# Altium PCB BEAGLEPLAYV020_220915.brd.PcbDoc (part 10 of 12)
Units mm, origin at the board's own origin, x right, y up, seen from the top; angles counter-clockwise.
Board outline 80 x 80 mm, 8 copper layers (TOP, LYR2_GND, LYR3, LAY4_PWR1, LAY5_PWR2, LAY6, LYR7_GND, BOTTOM), stack 1.545 mm thick; 782 components, 546 nets, 2864 pads, 2056 vias.
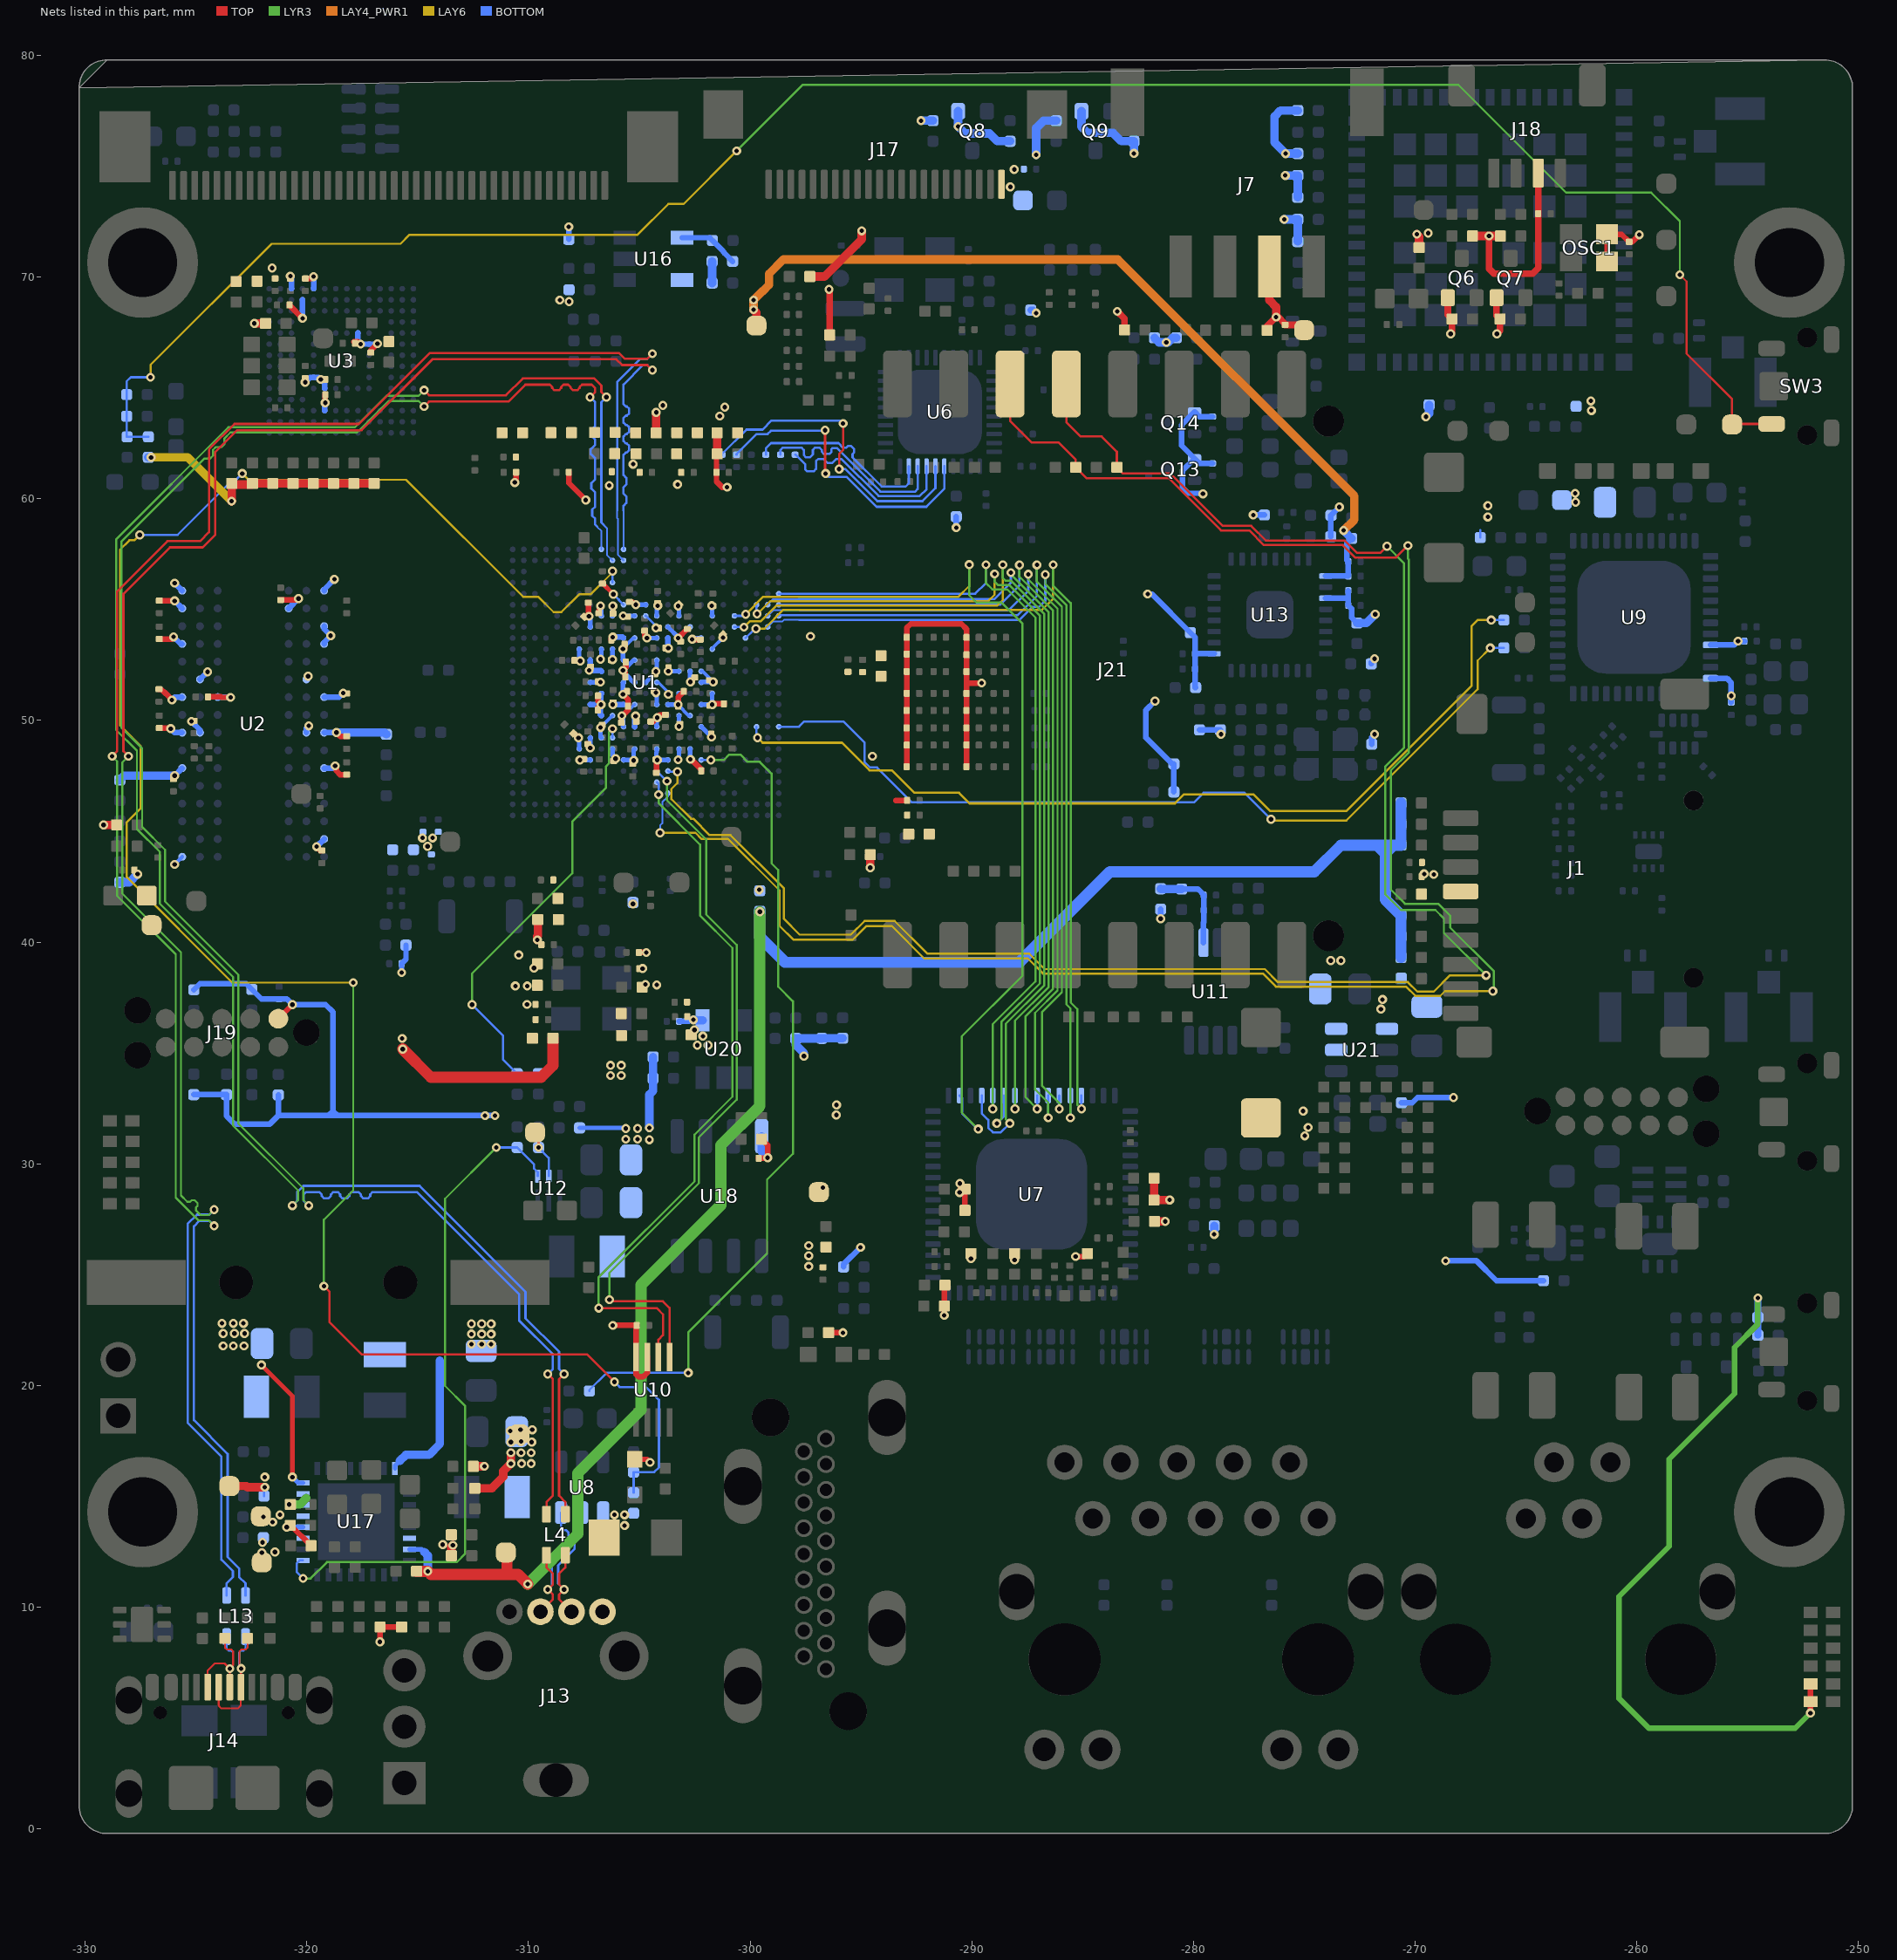
[diagram p16: the nets of this part, all layers, seen from the top]

## Via types
v1: diameter 0.406/0/0.406/0/0/0/0/0.406 (per signal layer), hole 0.203, TOP to BOTTOM, 334 vias
v2: diameter 0.406/0.406/0/0/0/0/0.406/0.406 (per signal layer), hole 0.203, TOP to BOTTOM, 282 vias
v3: diameter 0.406/0/0/0/0/0.406/0/0.406 (per signal layer), hole 0.203, TOP to BOTTOM, 255 vias
v4: diameter 0.406/0.406/0/0/0/0.406/0.406/0.406 (per signal layer), hole 0.203, TOP to BOTTOM, 253 vias
v5: diameter 0.406, hole 0.203, TOP to BOTTOM, 212 vias
v6: diameter 0.406/0.406/0.406/0/0/0.406/0.406/0.406 (per signal layer), hole 0.203, TOP to BOTTOM, 173 vias
v7: diameter 0.406/0/0/0.406/0/0/0/0.406 (per signal layer), hole 0.203, TOP to BOTTOM, 131 vias
v8: diameter 0.406/0/0/0/0.406/0/0/0.406 (per signal layer), hole 0.203, TOP to BOTTOM, 98 vias
v9: diameter 0.406/0.406/0/0.406/0/0/0.406/0.406 (per signal layer), hole 0.203, TOP to BOTTOM, 93 vias
v10: diameter 0.406/0/0.406/0/0/0.406/0/0.406 (per signal layer), hole 0.203, TOP to BOTTOM, 87 vias
v11: diameter 0.406/0.406/0/0.406/0/0.406/0.406/0.406 (per signal layer), hole 0.203, TOP to BOTTOM, 44 vias
v12: diameter 0.406/0.406/0.406/0.406/0/0.406/0.406/0.406 (per signal layer), hole 0.203, TOP to BOTTOM, 40 vias
v13: diameter 0.406/0.406/0.406/0/0/0/0.406/0.406 (per signal layer), hole 0.203, TOP to BOTTOM, 19 vias
v14: diameter 0.406/0/0/0.406/0/0.406/0/0.406 (per signal layer), hole 0.203, TOP to BOTTOM, 15 vias
v15: diameter 0.406/0/0/0/0.406/0.406/0/0.406 (per signal layer), hole 0.203, TOP to BOTTOM, 13 vias
v16: diameter 0.406/0/0.406/0/0.406/0/0/0.406 (per signal layer), hole 0.203, TOP to BOTTOM, 3 vias
v17: diameter 0.406/0/0.406/0.406/0/0/0/0.406 (per signal layer), hole 0.203, TOP to BOTTOM, 3 vias
v18: diameter 0.406/0.406/0.406/0.406/0/0/0.406/0.406 (per signal layer), hole 0.203, TOP to BOTTOM, 1 vias

## Nets (pads, with @x,y where several pads share a name; then routed paths per layer and width w, separated by ;. In a path a pad name is that pad's centre, name@x,y a point inside that pad or via, vN(x,y) a via of type N, cw(c..) or ccw(c..) an arc to the next point about the centre after c; other vN are vias at no path point) (continued)
TXCTL: R50.2 U6.19 | length 8.9
  BOTTOM w0.102: R50.2@-299.292,61.988 -299.292,62.277 -299.06,62.509 -296.02,62.509 -295.812,62.302 -295.668,62.302 -295.592,62.378 -295.448,62.378 -295.305,62.234 -295.305,62.091 -295.381,62.014 -295.381,61.871 -294.064,60.554 -292.989,60.554 -292.843,60.7 U6.19@-292.843,61.467
TXD0: R51.2 U6.18 | length 9.3
  BOTTOM w0.102: R51.2@-298.631,61.988 -298.631,62.205 -298.53,62.306 -297.681,62.306 -297.579,62.205 -297.579,61.972 -297.477,61.87 -297.304,61.87 -297.173,62.001 -297.173,62.205 -297.071,62.306 -296.874,62.306 -296.774,62.206 -296.774,62.128 -296.672,62.027 -296.418,62.027 -296.342,62.103 -296.342,62.231 -296.292,62.281 -296.079,62.281 -294.123,60.325 -292.557,60.325 -292.443,60.439 U6.18@-292.443,61.467
TXD1: R52.2 U6.17 | length 8.8
  BOTTOM w0.102: R52.2@-297.971,61.988 -297.946,61.988 -297.51,61.552 -297.51,61.316 -297.434,61.239 -297.129,61.239 -297.028,61.341 -297.028,61.697 -296.926,61.798 -296.697,61.798 -296.52,61.62 -296.291,61.62 -296.113,61.798 -295.884,61.798 -294.207,60.122 -292.354,60.122 -292.043,60.433 U6.17@-292.043,61.467
TXD2: R57.2 U6.16 | length 14.5
  TOP w0.102: v5(-295.986,61.341) -295.986,62.027 -295.808,62.205 v5(-295.808,63.398)
  BOTTOM w0.102: R57.2@-301.273,61.988 -301.273,62.013 -300.167,63.119 -299.441,63.119 -299.034,63.525 -295.935,63.525 v5(-295.808,63.398) ; v5(-295.986,61.341) -295.714,61.341 -294.266,59.893 -292.227,59.893 -291.643,60.477 U6.16@-291.643,61.467
TXD3: R58.2 U6.15 | length 13.8
  TOP w0.102: v5(-296.621,63.094) -296.621,61.163 v5(-296.596,61.138)
  BOTTOM w0.102: R58.2@-300.613,61.988 -300.613,62.013 -299.71,62.916 -299.212,62.916 -299.06,63.068 -296.647,63.068 v5(-296.621,63.094) ; v5(-296.596,61.138) -296.443,60.985 -295.646,60.985 -294.3,59.639 -292.052,59.639 -291.243,60.448 U6.15@-291.243,61.467
U18_FB: R211.2 R212.1 U16.4 | length 2.7
  BOTTOM w0.254: U16.4@-303.069,71.777 -301.828,71.777 R212.1@-301.7,71.649 -301.697,71.649 -301.244,71.196 -301.135,71.054 R211.2@-300.791,70.71
UART0_RXD: U1.D14 U10.6 | length 32.7
  TOP w0.102: v1(-306.832,23.495) -304.216,23.495 -303.936,23.216 -303.936,22.276 -304.142,22.071 U10.6@-304.142,21.289
  LYR3 w0.097: v1(-306.832,23.495) -306.832,24.892 -302.514,29.21 -302.514,31.318 -300.802,33.03 -300.802,39.741 -302.26,41.199 -302.26,44.404 -304.13,46.274 v1(-304.13,46.652)
  BOTTOM w0.102: U1.D14@-304.211,47.22 -304.13,47.139 v1(-304.13,46.652)
UART0_TXD: U1.E14 U10.5 | length 32.8
  TOP w0.102: v1(-306.349,23.876) -306.273,23.8 -303.936,23.8 -303.641,23.505 U10.5@-303.641,21.289
  LYR3 w0.097: v1(-306.349,23.876) -306.349,25.094 -302.316,29.128 -302.316,31.186 -300.604,32.898 -300.604,39.873 -301.981,41.25 -301.981,44.628 -303.754,46.401 v1(-303.754,47.262)
  BOTTOM w0.102: U1.E14@-304.211,47.719 v1(-303.754,47.262)
UART5_RXD: D38.2 J21.6 U1.C15 | length 89.9
  TOP w0.102: J21.6@-288.275,65.179 -288.275,63.51 -287.299,62.535 -286.08,62.535 -285.313,61.767 D38.2@-285.313,61.417 -284.83,60.935 -281.127,60.935 -278.765,58.572 -277.487,58.572 -276.826,57.912 -273.27,57.912 -272.712,57.353 -270.866,57.353 v1(-270.332,57.887)
  LYR3 w0.097: v1(-270.332,57.887) -270.332,57.302 -270.281,57.252 -270.281,48.565 -271.094,47.752 -271.094,42.367 -270.459,41.732 -268.961,41.732 -268.427,41.199 -268.427,40.665 -266.449,38.687 -266.449,37.843 v10(-266.497,37.795)
  LAY6 w0.097: v3(-304.063,44.933) -302.463,44.933 -302.184,44.653 -300.989,44.653 -298.675,42.339 -298.675,40.738 -298.044,40.107 -295.377,40.107 -294.767,40.716 -293.599,40.716 -292.151,39.268 -287.477,39.268 -286.791,38.583 -276.868,38.583 -276.284,37.998 -270.41,37.998 -269.989,37.577 -268.874,37.577 -268.656,37.795 v10(-266.497,37.795)
  BOTTOM w0.081: v3(-304.063,44.933) -304.063,45.263 -303.962,45.364 -303.962,46.321 -303.711,46.571 U1.C15@-303.711,46.719
UART5_TXD: D39.2 J21.5 U1.E15 | length 85.7
  TOP w0.102: J21.5@-285.735,65.179 -285.735,63.459 -285.089,62.814 -284.15,62.814 -283.459,62.123 D39.2@-283.459,61.417 -283.179,61.138 -281.043,61.138 -278.681,58.776 -277.403,58.776 -276.742,58.115 -273.186,58.115 -272.627,57.556 -271.577,57.556 v1(-271.272,57.861)
  LYR3 w0.097: v1(-271.272,57.861) -270.51,57.099 -270.51,48.767 -271.36,47.917 -271.36,42.176 -270.637,41.453 -269.088,41.453 -268.707,41.072 -268.707,40.411 v10(-266.802,38.506)
  LAY6 w0.097: v3(-303.281,47.688) -303.281,47.18 -303.555,46.906 -303.555,46.457 -302.666,45.568 -302.565,45.568 -301.828,44.831 -300.886,44.831 -298.477,42.422 -298.477,41.048 -297.769,40.34 -295.456,40.34 -294.837,40.959 -293.486,40.959 -292.003,39.477 -287.405,39.477 -286.714,38.786 -276.784,38.786 -276.2,38.202 -270.333,38.202 -269.906,37.775 -269.159,37.775 -268.427,38.506 v10(-266.802,38.506)
  BOTTOM w0.102: U1.E15@-303.711,47.719 -303.68,47.688 v3(-303.281,47.688)
UART6_RXD: R121.1 U1.J23 | length 41
  LAY6 w0.102: v3(-299.669,49.225) -299.441,48.997 -295.859,48.997 -294.615,47.752 -293.606,47.752 -292.594,46.74 -290.581,46.74 -290.102,46.261 -280.84,46.261 -280.441,46.66 -277.292,46.66 -276.542,45.91 -273.113,45.91 -267.453,51.571 -267.453,54.264 -267.187,54.53 v3(-266.573,54.53)
  BOTTOM w0.102: U1.J23@-299.711,49.719 -299.711,49.267 v3(-299.669,49.225) ; v3(-266.573,54.53) R121.1@-266.001,54.53
UART6_TXD: R120.1 U1.J25 | length 39.5
  LAY6 w0.097: v3(-276.504,45.542) -276.454,45.491 -273.101,45.491 -267.183,51.41 -267.183,52.705 v3(-266.617,53.271)
  BOTTOM w0.102: U1.J25@-298.711,49.719 -297.798,49.719 -297.566,49.952 -295.787,49.952 -294.843,49.009 -294.843,48.138 -294.584,47.879 -294.279,47.879 -292.704,46.304 -279.984,46.304 -279.552,46.736 -277.698,46.736 v3(-276.504,45.542) ; v3(-266.617,53.271) R120.1@-266,53.271
USB0_DM: L13.1 U1.AE11 | length 90.8
  TOP w0.104: v1(-328.046,48.387) -328.272,48.613 -328.272,55.707 -326.171,57.809 -324.698,57.809 -324.129,58.377 -324.129,62.111 -323.146,63.094 -317.533,63.094 -314.335,66.291 -306.034,66.291 -305.775,66.032 -304.64,66.032 v5(-304.414,65.806)
  LYR3 w0.091: v1(-328.046,48.387) -328.32,48.113 -328.32,42.189 -325.679,39.548 -325.679,28.579 -325.391,28.291 -325.261,28.291 -325.19,28.363 -325.06,28.363 -324.931,28.234 -324.931,28.104 -325.003,28.032 -325.003,27.903 -324.791,27.691 -324.429,27.691 v1(-324.18,27.94)
  BOTTOM w0.081: -305.717,59.475 -305.717,59.192 -305.711,59.186 U1.AE11@-305.711,57.719
  BOTTOM w0.104: v1(-324.18,27.94) -324.406,27.714 -324.957,27.714 -325.377,27.295 -325.377,18.324 -323.853,16.8 -323.853,12.151 -323.332,11.631 -323.332,11.367 -323.616,11.083 L13.1@-323.616,10.529 ; -305.717,59.475 -305.717,59.687 -305.587,59.816 -305.587,60.104 -305.717,60.233 -305.717,60.52 -305.587,60.65 -305.587,60.937 -305.717,61.066 -305.717,61.979 -305.613,62.083 -305.565,62.083 -305.46,62.187 -305.46,62.395 -305.565,62.499 -305.613,62.499 -305.717,62.604 -305.717,62.812 -305.613,62.916 -305.565,62.916 -305.46,63.02 -305.46,63.228 -305.565,63.333 -305.613,63.333 -305.717,63.437 -305.717,63.645 -305.613,63.749 -305.565,63.749 -305.46,63.853 -305.46,64.062 -305.565,64.166 -305.613,64.166 -305.717,64.27 -305.717,65.156 -304.841,66.032 -304.64,66.032 v5(-304.414,65.806)
USB0_DP: L13.4 U1.AD11 | length 90.9
  TOP w0.104: v1(-328.78,48.387) -328.554,48.613 -328.554,55.824 -326.288,58.091 -324.814,58.091 -324.411,58.494 -324.411,62.227 -323.263,63.376 -317.65,63.376 -314.452,66.573 -305.918,66.573 -305.659,66.314 -304.64,66.314 v5(-304.414,66.54)
  LYR3 w0.091: v1(-328.78,48.387) -328.557,48.163 -328.557,42.091 -325.915,39.45 -325.915,28.481 -324.889,27.455 -324.429,27.455 v1(-324.18,27.206)
  BOTTOM w0.081: -305.999,59.475 -305.999,59.124 -305.962,59.087 -305.962,57.471 U1.AD11@-305.711,57.22
  BOTTOM w0.104: v1(-324.18,27.206) -324.406,27.432 -324.841,27.432 -325.095,27.178 -325.095,18.44 -323.571,16.916 -323.571,12.268 -323.05,11.748 -323.05,11.367 -322.766,11.083 L13.4@-322.766,10.529 ; -305.999,59.475 -305.999,65.273 -304.957,66.314 -304.64,66.314 v5(-304.414,66.54)
USB1_DM: L4.1 U1.AD10 | length 91.1
  TOP w0.104: v1(-314.706,64.894) -314.48,64.668 -311.023,64.668 -310.261,65.43 -307.035,65.43 -306.714,65.109 -306.714,64.811 v5(-306.488,64.585) ; v5(-308.395,20.523) -308.621,20.297 -308.621,15.039 -308.337,14.755 L4.1@-308.337,14.201
  LYR3 w0.091: v1(-320.647,28.118) -320.398,28.367 -320.398,28.802 -323.324,31.728 -323.324,38.434 -326.626,41.736 -326.626,44.073 -327.66,45.106 -327.66,48.637 -328.602,49.579 -328.602,58.168 -323.542,63.228 -317.827,63.228 -316.409,64.646 -314.955,64.646 v1(-314.706,64.894)
  BOTTOM w0.081: -306.714,58.929 -306.46,58.676 -306.46,57.469 U1.AD10@-306.211,57.22
  BOTTOM w0.104: v1(-320.647,28.118) -320.421,28.344 -320.421,28.738 -320.152,29.007 -314.909,29.007 -310.134,24.232 -310.134,23.038 -308.621,21.525 -308.621,20.749 v5(-308.395,20.523) ; -306.714,58.929 -306.714,64.359 v5(-306.488,64.585)
USB1_DP: L4.4 U1.AE9 | length 91
  TOP w0.104: v1(-314.706,64.16) -314.48,64.386 -310.906,64.386 -310.144,65.148 -309.042,65.148 -308.937,65.044 -308.937,65.001 -308.833,64.897 -308.625,64.897 -308.521,65.001 -308.521,65.044 -308.417,65.148 -308.208,65.148 -308.104,65.044 -308.104,65.001 -308,64.897 -307.792,64.897 -307.688,65.001 -307.688,65.044 -307.584,65.148 -307.152,65.148 -306.996,64.992 -306.996,64.811 v5(-307.222,64.585) ; L4.4@-309.187,14.201 -309.187,14.755 -308.903,15.039 -308.903,20.297 v5(-309.129,20.523)
  LYR3 w0.091: v1(-319.913,28.118) -320.162,28.367 -320.162,28.9 -323.088,31.826 -323.088,38.532 -326.39,41.834 -326.39,44.171 -327.424,45.204 -327.424,48.735 -328.366,49.677 -328.366,58.069 -324.617,61.818 -324.363,61.818 -324.232,61.95 -324.232,62.204 -324.1,62.336 -323.846,62.336 -323.714,62.468 -323.714,62.722 -323.444,62.992 -317.729,62.992 -316.311,64.409 -314.955,64.409 v1(-314.706,64.16)
  BOTTOM w0.081: -306.894,58.739 -306.894,58.728 -306.71,58.544 -306.71,58.212 -306.711,58.178 U1.AE9@-306.711,57.719
  BOTTOM w0.104: v1(-319.913,28.118) -320.139,28.344 -320.139,28.621 -320.035,28.725 -319.435,28.725 -319.331,28.621 -319.331,28.552 -319.227,28.448 -319.018,28.448 -318.914,28.552 -318.914,28.621 -318.81,28.725 -318.602,28.725 -318.498,28.621 -318.498,28.552 -318.394,28.448 -318.185,28.448 -318.081,28.552 -318.081,28.621 -317.977,28.725 -317.661,28.725 -317.557,28.621 -317.557,28.552 -317.453,28.448 -317.245,28.448 -317.141,28.552 -317.141,28.621 -317.036,28.725 -315.026,28.725 -310.416,24.115 -310.416,22.921 -308.903,21.408 -308.903,20.749 v5(-309.129,20.523) ; v5(-307.222,64.585) -306.996,64.359 -306.996,63.269 -307.188,63.077 -307.188,62.853 -306.996,62.661 -306.996,62.436 -307.188,62.244 -307.188,62.019 -306.996,61.828 -306.996,60.874 -307.162,60.707 -307.162,60.457 -306.996,60.291 -306.996,59.642 -307.123,59.515 -307.123,59.226 -306.996,59.099 -306.996,58.841 -306.894,58.739
USB1_DRVVBUS: R133.1 U1.F18 | length 37.8
  LYR3 w0.097: v1(-302.793,20.574) -302.793,22.403 -299.237,25.959 -299.237,29.294 -298.074,30.457 -298.074,37.335 -298.734,37.996 -298.734,43.253 -299.039,43.558 -299.039,47.606
  LYR3 w0.102: v1(-301.777,48.219) -301.183,48.219 -300.939,48.463 -300.444,48.463 -300.114,48.133 -299.566,48.133 -299.039,47.606
  BOTTOM w0.102: R133.1@-307.253,19.758 -307.253,19.797 -306.476,20.574 v1(-302.793,20.574) ; U1.F18@-302.211,48.219 v1(-301.777,48.219)
USB1_VBUS: R136.1 R152.1 U1.AB10 | length 92.6
  TOP w0.102: v1(-319.227,24.486) -318.985,24.243 -318.985,22.871 -317.525,21.412 -307.365,21.412 v5(-306.121,20.168)
  LYR3 w0.097: v1(-319.227,24.486) -319.227,27.483 -317.906,28.804 v10(-317.906,38.176)
  LAY6 w0.097: v3(-327.533,58.369) -327.774,58.128 -328.002,58.128 -328.422,57.709 -328.422,49.78 -327.492,48.85 -327.492,46.04 -328.122,45.41 -328.122,42.933 -323.365,38.176 v10(-317.906,38.176) ; v3(-322.91,61.138) -322.631,60.858 -315.519,60.858 -310.244,55.584 -309.565,55.584 -308.867,54.887 -308.515,54.887 -307.699,55.702 -307.188,55.702 -306.211,56.679 v3(-306.211,56.735)
  BOTTOM w0.102: v3(-327.533,58.369) -325.831,58.369 -323.305,60.895 -323.153,60.895 v3(-322.91,61.138) ; U1.AB10@-306.211,56.219 v3(-306.211,56.735) ; v5(-306.121,20.168) -305.892,19.939 -304.698,19.939 -304.114,19.355 -304.114,16.307 -304.323,16.098 R152.1@-305.257,16.098 R136.1@-305.257,15.169
USB_A_5V: C110.1 J13.1 R136.2 U8.4
  other v5: -305.664,13.691 -306.121,14.173 -305.664,14.173
USB_A_DM: J13.2 L4.2 U8.5 | length 7.2
  TOP w0.104: L4.2@-308.337,12.351 -308.337,11.797 -308.621,11.513 -308.621,11.031 v5(-308.395,10.805) -308.621,10.579 -308.621,10.363 J13.2@-308.062,9.804
  BOTTOM w0.104: v5(-308.395,10.805) -308.658,11.068 -308.658,11.897 -307.915,12.64 -307.915,13.376 -307.811,13.48 -307.685,13.48 -307.581,13.584 U8.5@-307.581,14.271
USB_A_DP: J13.3 L4.3 U8.6 | length 7.1
  TOP w0.104: J13.3@-309.462,9.804 -308.903,10.363 -308.903,10.579 v5(-309.129,10.805) -308.903,11.031 -308.903,11.513 -309.187,11.797 L4.3@-309.187,12.351
  BOTTOM w0.104: v5(-309.129,10.805) -308.94,10.995 -308.94,12.014 -308.197,12.757 -308.197,13.376 -308.301,13.48 -308.427,13.48 -308.531,13.584 U8.6@-308.531,14.271
USB_C_DM: D25.2 J14.A7 J14.B7 L13.2 | length 6.2
  TOP w0.084: J14.B7@-324.473,6.4 -324.473,7.149 -324.151,7.471 -323.71,7.471 v5(-323.473,7.235) ; D25.2@-323.689,8.598 -323.688,8.179 -323.605,8.095 -323.408,8.096 -323.324,8.012 -323.324,7.384 v5(-323.473,7.235) ; J14.A7@-323.473,6.4 v5(-323.473,7.235)
  BOTTOM w0.084: L13.2@-323.616,8.679 -323.616,8.135 -323.532,8.051 -323.419,8.051 -323.335,7.967 -323.335,7.373 v5(-323.473,7.235)
USB_C_DP: D24.2 J14.A6 J14.B6 L13.3 | length 6.9
  TOP w0.084: J14.A6@-323.973,6.4 -323.973,5.559 -323.85,5.436 -323.113,5.436 -322.986,5.563 -322.986,6.387 J14.B6@-322.973,6.4 -322.973,7.227 v5(-322.961,7.239) -323.037,7.315 -323.037,8.012 -322.953,8.096 -322.756,8.096 -322.672,8.18 D24.2@-322.673,8.599
  BOTTOM w0.084: v5(-322.961,7.239) -323.048,7.326 -323.048,7.967 -322.964,8.051 -322.85,8.051 -322.766,8.135 L13.3@-322.766,8.679
USER_BTN: R53.1 R168.2 R184.1 R185.1 SW3.2 TP17.1 | length 93.9
  TOP w0.102: v1(-258.064,70.104) -257.759,69.799 -257.759,66.548 -255.707,64.495 TP17.1@-255.707,63.35 -255.682,63.375 SW3.2@-253.924,63.375
  LYR3 w0.097: v10(-300.609,75.692) -297.637,78.664 -268.046,78.664 -263.195,73.812 -259.359,73.812 -258.064,72.517 v1(-258.064,70.104)
  LAY6 w0.097: v3(-327.05,65.481) -327.05,66.04 -321.589,71.501 -315.773,71.501 -315.366,71.907 -305.08,71.907 -303.688,73.299 -303.002,73.299 v10(-300.609,75.692)
  BOTTOM w0.102: R168.2@-327.148,62.792 R184.1@-328.106,62.792 -328.118,62.792 -328.129,62.803 -328.129,63.146 -328.125,63.15 R185.1@-328.125,63.725 R53.1@-328.125,64.699 -328.125,65.296 -327.94,65.481 v3(-327.05,65.481)
VDD_1V0: C9.1 C10.1 C11.1 C263.1 R211.1 TP27.1 U13.1 U16.5 | length 39.9
  TOP w0.381: v7(-299.847,68.529) -299.715,68.398 TP27.1@-299.715,67.81
  LAY4_PWR1 w0.381: v7(-299.847,68.529) v7(-299.847,68.961) -299.453,69.355 -299.439,69.355 -299.149,69.645 -299.149,70.142 -298.501,70.79 -283.413,70.79 -272.745,60.122 -272.745,59.055 v7(-273.228,58.572)
  BOTTOM w0.102: C11.1@-272.864,58.211 C11.1@-272.801,58.211
  BOTTOM w0.254: U13.1@-274.041,56.514 C10.1@-273.02,56.514 C9.1@-273.02,57.167 -273.075,57.223 -273.075,58 C11.1@-272.864,58.211
  BOTTOM w0.381: C263.1@-301.715,69.732 -301.716,69.733 R211.1@-301.716,70.71 ; v7(-273.228,58.572) -272.867,58.211 C11.1@-272.864,58.211
VDD_1V2: C54.1 C81.1 C82.2 C99.1 C100.1 C101.1 C102.1 C109.1 C114.1 C115.1 C116.1 C117.1 C118.1 C119.1 C120.1 C121.1 C224.1 C225.1 C226.1 C227.1 C228.1 C229.1 C230.1 C231.1 C237.1 C244.1 C245.1 FB18.2 FB19.2 FB22.2 FB23.2 L17.2 R4.1 R81.1 R84.1 R86.1 TP21.1 U1.K9 U1.L8 U1.M9 U1.P9 U1.R8 U2.A1 U2.A9 U2.B3 U2.B9 U2.C1 U2.D1 U2.D9 U2.F2 U2.F8 U2.G1 U2.G7 U2.G9 U2.J1 U2.J2 U2.J8 U2.J9 U2.L1 U2.L9 U2.R1 U2.T9 U17.24 | length 36.3
  TOP w0.203: v5(-322.047,20.93) -320.65,19.533 v5(-320.65,15.875) ; C237.1@-290.538,28.723 v1(-290.538,29.115)
  TOP w0.254: C115.1@-326.669,51.41 -326.568,51.41 -326.437,51.279 -326.421,51.279 -326.222,51.08 -326.222,51.064 v8(-326.085,50.927) ; C100.1@-326.653,49.661 -326.165,49.661 v8(-326.136,49.632) ; C81.1@-326.653,53.675 -326.106,53.675 v8(-326.009,53.772) ; C102.1@-326.653,55.403 -325.97,55.403 v8(-325.961,55.395) ; C119.1@-324.46,51.063 -323.878,51.063 -323.856,51.041 v8(-323.437,51.041) ; C114.1@-321.179,55.431 -320.441,55.431 v8(-320.372,55.5) ; v8(-319.56,44.311) -319.382,44.133 C117.1@-319.32,44.133 ; v8(-318.719,47.955) -318.668,47.904 -318.668,47.727 -318.501,47.559 C99.1@-318.203,47.559 ; v8(-318.666,49.458) -318.495,49.286 C120.1@-318.203,49.286 ; v8(-307.261,52.264) -307.196,52.329 C226.1@-307.196,52.422 ; C228.1@-306.875,50.471 -306.875,50.571 v8(-306.727,50.719) -306.861,50.853 C227.1@-306.861,51.114 ; v1(-290.552,28.709) -290.538,28.723 -290.4,28.861 C237.1@-290.31,28.861 FB18.2@-290.31,27.904 ; v1(-290.038,25.73) FB19.2@-290.038,25.955 ; v1(-288.07,25.671) FB23.2@-288.07,25.955 ; v1(-285.322,25.826) -285.318,25.826 -285.298,25.806 -284.941,25.806 FB22.2@-284.792,25.955
  BOTTOM w0.152: v8(-307.261,52.264) v8@-307.252,52.255
  BOTTOM w0.168: v8(-325.961,43.51) U2.T9@-325.619,43.852
  BOTTOM w0.203: v5(-320.65,15.875) -320.388,15.613 U17.24@-320.172,15.613 ; v8@-306.741,50.733 v8(-306.727,50.719)
  BOTTOM w0.254: v8(-326.136,49.632) -325.957,49.453 U2.J9@-325.619,49.453 ; v8(-326.085,50.927) -325.959,51.053 U2.G9@-325.619,51.053 ; v8(-326.009,53.772) -325.69,53.453 U2.D9@-325.619,53.453 ; v8(-325.961,47.511) U2.L9@-325.619,47.852 ; v8(-325.961,55.395) U2.B9@-325.619,55.053 ; v8(-325.961,56.195) U2.A9@-325.619,55.853 ; v8(-325.202,49.958) -324.819,49.575 U2.J8@-324.819,49.453 ; U2.F8@-324.819,51.853 v8(-324.478,52.194) ; U2.G7@-324.019,51.053 -323.448,51.053 v8(-323.437,51.041) ; U2.B3@-320.819,55.053 v8(-320.372,55.5) ; U2.J2@-320.019,49.453 -320.019,49.653 v8(-319.913,49.759) ; v8(-319.56,44.311) U2.R1@-319.219,44.652 ; U2.L1@-319.219,47.852 -318.822,47.852 v8(-318.719,47.955) ; U2.J1@-319.219,49.453 -318.671,49.453 v8(-318.666,49.458) ; U2.G1@-319.219,51.053 -318.542,51.053 v8(-318.36,51.235) ; U2.D1@-319.219,53.453 -319.219,53.526 v8(-318.922,53.823) -319.219,54.119 U2.C1@-319.219,54.253 ; U2.A1@-319.219,55.853 -319.219,55.906 v8(-318.756,56.369) ; v8(-315.722,38.626) C121.1@-315.722,39.032 -315.526,39.229 R86.1@-315.526,39.867 ; v8(-307.261,52.264) -307.211,52.315 U1.R8@-307.211,52.719 ; v8@-307.252,52.255 -306.747,52.255 U1.P9@-306.711,52.219 ; U1.L8@-307.211,50.719 v8@-306.754,50.719 ; U1.K9@-306.711,50.219 -306.754,50.262 v8@-306.754,50.719 ; U1.M9@-306.711,51.22 -306.741,51.19 -306.741,50.733 v8@-306.754,50.719

## Text inside footprints (layer, text, board x,y; h text height)
R149: PIN_NUMBER "2" at -294.838,44.957 h0.64; PIN_NUMBER "1" at -295.763,44.957 h0.64; ASSEMBLY_TOP "0R" at -294.919,44.703 h0.64
R150: PIN_NUMBER "2" at -280.244,27.203 h0.64 r180; PIN_NUMBER "1" at -279.318,27.203 h0.64 r180; ASSEMBLY_TOP "10K" at -279.654,26.949 h0.64 r180
R151: PIN_NUMBER "1" at -323.879,33.122 h0.64 r90; PIN_NUMBER "2" at -323.879,34.047 h0.64 r90; ASSEMBLY_TOP "10K" at -323.879,33.712 h0.64 r90
R152: PIN_NUMBER "1" at -305.511,16.098 h0.64 r90; PIN_NUMBER "2" at -305.511,17.023 h0.64 r90; ASSEMBLY_TOP "10K" at -305.511,16.688 h0.64 r90
R153: PIN_NUMBER "2" at -307.242,67.128 h0.64 r90; PIN_NUMBER "1" at -307.242,66.203 h0.64 r90; ASSEMBLY_TOP "499R" at -307.242,66.792 h0.64 r90
R154: PIN_NUMBER "1" at -325.345,37.857 h0.64 r270; PIN_NUMBER "2" at -325.345,36.932 h0.64 r270; ASSEMBLY_TOP "10K" at -324.837,37.267 h0.64 r270
R155: PIN_NUMBER "1" at -322.729,37.866 h0.64 r270; PIN_NUMBER "2" at -322.729,36.941 h0.64 r270; ASSEMBLY_TOP "10K" at -322.221,37.277 h0.64 r270
R156: PIN_NUMBER "1" at -321.542,33.11 h0.64 r90; PIN_NUMBER "2" at -321.542,34.035 h0.64 r90; ASSEMBLY_TOP "10K" at -321.542,33.7 h0.64 r90
R157: PIN_NUMBER "1" at -325.352,33.122 h0.64 r90; PIN_NUMBER "2" at -325.352,34.047 h0.64 r90; ASSEMBLY_TOP "10K" at -325.352,33.712 h0.64 r90
R158: PIN_NUMBER "2" at -322.729,33.122 h0.64 r270; PIN_NUMBER "1" at -322.729,34.047 h0.64 r270; ASSEMBLY_TOP "10K" at -322.221,33.458 h0.64 r270
R159: PIN_NUMBER "1" at -320.06,12.776 h0.64 r180; PIN_NUMBER "2" at -320.985,12.776 h0.64 r180; ASSEMBLY_TOP "10K" at -320.396,13.03 h0.64 r180
R160: PIN_NUMBER "1" at -315.976,9.113 h0.64 r90; PIN_NUMBER "2" at -315.976,10.038 h0.64 r90; ASSEMBLY_TOP "10K" at -315.468,9.703 h0.64 r90
R161: PIN_NUMBER "1" at -323.119,17.018 h0.64; PIN_NUMBER "2" at -322.194,17.018 h0.64; ASSEMBLY_TOP "10K" at -322.275,17.272 h0.64
R162: PIN_NUMBER "1" at -299.74,31.115 h0.64 r180; PIN_NUMBER "2" at -300.665,31.115 h0.64 r180; ASSEMBLY_TOP "10K" at -300.076,31.369 h0.64 r180
R163: PIN_NUMBER "1" at -299.74,32.08 h0.64 r180; PIN_NUMBER "2" at -300.665,32.08 h0.64 r180; ASSEMBLY_TOP "0R" at -300.076,32.334 h0.64 r180
R164: PIN_NUMBER "1" at -281.454,11.017 h0.64 r270; PIN_NUMBER "2" at -281.454,10.092 h0.64 r270; ASSEMBLY_TOP "1K" at -280.946,10.427 h0.64 r270
R165: PIN_NUMBER "2" at -284.681,71.243 h0.64 r90; PIN_NUMBER "1" at -284.681,70.318 h0.64 r90; ASSEMBLY_TOP "1K" at -284.681,70.907 h0.64 r90
R166: PIN_NUMBER "2" at -258.492,23.053 h0.64 r180; PIN_NUMBER "1" at -257.567,23.053 h0.64 r180; ASSEMBLY_TOP "2.2k" at -257.903,22.799 h0.64 r180
R167: PIN_NUMBER "2" at -256.684,23.053 h0.64 r180; PIN_NUMBER "1" at -255.758,23.053 h0.64 r180; ASSEMBLY_TOP "2.2k" at -256.094,22.799 h0.64 r180
R168: PIN_NUMBER "2" at -327.402,62.792 h0.64 r90; PIN_NUMBER "1" at -327.402,61.867 h0.64 r90; ASSEMBLY_TOP "10K" at -327.402,62.457 h0.64 r90
R169: PIN_NUMBER "1" at -286.45,77.052 h0.64 r270; PIN_NUMBER "2" at -286.45,76.127 h0.64 r270; ASSEMBLY_TOP "10K" at -285.942,76.463 h0.64 r270
R170: PIN_NUMBER "1" at -290.499,52.967 h0.64; PIN_NUMBER "2" at -289.94,52.967 h0.64; ASSEMBLY_TOP "10K" at -290.219,52.713 h0.64
R171: PIN_NUMBER "1" at -293.19,52.992 h0.64; PIN_NUMBER "2" at -292.631,52.992 h0.64; ASSEMBLY_TOP "10K" at -292.91,52.738 h0.64
R172: PIN_NUMBER "1" at -293.19,52.205 h0.64; PIN_NUMBER "2" at -292.631,52.205 h0.64; ASSEMBLY_TOP "10K" at -292.91,51.951 h0.64
R173: PIN_NUMBER "1" at -290.499,52.205 h0.64; PIN_NUMBER "2" at -289.94,52.205 h0.64; ASSEMBLY_TOP "10K" at -290.219,51.951 h0.64
R174: PIN_NUMBER "1" at -293.19,51.223 h0.64; PIN_NUMBER "2" at -292.631,51.223 h0.64; ASSEMBLY_TOP "10K" at -292.91,50.969 h0.64
R175: PIN_NUMBER "1" at -290.499,51.223 h0.64; PIN_NUMBER "2" at -289.94,51.223 h0.64; ASSEMBLY_TOP "10K" at -290.219,50.969 h0.64
R176: PIN_NUMBER "1" at -293.19,49.664 h0.64; PIN_NUMBER "2" at -292.631,49.664 h0.64; ASSEMBLY_TOP "10K" at -292.91,49.41 h0.64
R177: PIN_NUMBER "1" at -293.19,48.891 h0.64; PIN_NUMBER "2" at -292.631,48.891 h0.64; ASSEMBLY_TOP "10K" at -292.91,48.637 h0.64
R178: PIN_NUMBER "1" at -293.19,50.451 h0.64; PIN_NUMBER "2" at -292.631,50.451 h0.64; ASSEMBLY_TOP "10K" at -292.91,50.197 h0.64
R179: PIN_NUMBER "1" at -290.499,50.451 h0.64; PIN_NUMBER "2" at -289.94,50.451 h0.64; ASSEMBLY_TOP "10K" at -290.219,50.197 h0.64
R180: PIN_NUMBER "1" at -290.499,48.891 h0.64; PIN_NUMBER "2" at -289.94,48.891 h0.64; ASSEMBLY_TOP "10K" at -290.219,48.637 h0.64
R181: PIN_NUMBER "1" at -290.499,49.664 h0.64; PIN_NUMBER "2" at -289.94,49.664 h0.64; ASSEMBLY_TOP "10K" at -290.219,49.41 h0.64
R182: PIN_NUMBER "1" at -293.19,47.914 h0.64; PIN_NUMBER "2" at -292.631,47.914 h0.64; ASSEMBLY_TOP "10K" at -292.91,47.66 h0.64
R183: PIN_NUMBER "2" at -289.94,47.914 h0.64; PIN_NUMBER "1" at -290.499,47.914 h0.64; ASSEMBLY_TOP "10K" at -290.219,47.66 h0.64
R184: PIN_NUMBER "1" at -328.36,62.792 h0.64 r270; PIN_NUMBER "2" at -328.36,61.867 h0.64 r270; ASSEMBLY_TOP "1K" at -327.852,62.203 h0.64 r270
R185: PIN_NUMBER "1" at -328.379,63.725 h0.64; PIN_NUMBER "2" at -327.453,63.725 h0.64; ASSEMBLY_TOP "1K" at -327.535,63.979 h0.64
R186: PIN_NUMBER "1" at -268.594,68.112 h0.64; PIN_NUMBER "2" at -267.669,68.112 h0.64; ASSEMBLY_TOP "10K" at -267.75,67.858 h0.64
R187: PIN_NUMBER "2" at -288.714,52.967 h0.64; PIN_NUMBER "1" at -289.273,52.967 h0.64; ASSEMBLY_TOP "10K" at -288.994,52.713 h0.64
R188: PIN_NUMBER "2" at -291.424,52.992 h0.64; PIN_NUMBER "1" at -291.983,52.992 h0.64; ASSEMBLY_TOP "10K" at -291.704,52.738 h0.64
R189: PIN_NUMBER "2" at -291.424,52.205 h0.64; PIN_NUMBER "1" at -291.983,52.205 h0.64; ASSEMBLY_TOP "10K" at -291.704,51.951 h0.64
R190: PIN_NUMBER "2" at -288.714,52.205 h0.64; PIN_NUMBER "1" at -289.273,52.205 h0.64; ASSEMBLY_TOP "10K" at -288.994,51.951 h0.64
R191: PIN_NUMBER "2" at -291.424,51.223 h0.64; PIN_NUMBER "1" at -291.983,51.223 h0.64; ASSEMBLY_TOP "10K" at -291.704,50.969 h0.64
R192: PIN_NUMBER "2" at -288.714,51.223 h0.64; PIN_NUMBER "1" at -289.273,51.223 h0.64; ASSEMBLY_TOP "10K" at -288.994,50.969 h0.64
R193: PIN_NUMBER "2" at -291.424,49.664 h0.64; PIN_NUMBER "1" at -291.983,49.664 h0.64; ASSEMBLY_TOP "10K" at -291.704,49.41 h0.64
R194: PIN_NUMBER "1" at -291.983,48.891 h0.64; PIN_NUMBER "2" at -291.424,48.891 h0.64; ASSEMBLY_TOP "10K" at -291.704,48.637 h0.64
R195: PIN_NUMBER "2" at -291.424,50.451 h0.64; PIN_NUMBER "1" at -291.983,50.451 h0.64; ASSEMBLY_TOP "10K" at -291.704,50.197 h0.64
R196: PIN_NUMBER "2" at -288.714,50.451 h0.64; PIN_NUMBER "1" at -289.273,50.451 h0.64; ASSEMBLY_TOP "10K" at -288.994,50.197 h0.64
R197: PIN_NUMBER "2" at -288.714,48.891 h0.64; PIN_NUMBER "1" at -289.273,48.891 h0.64; ASSEMBLY_TOP "10K" at -288.994,48.637 h0.64
R198: PIN_NUMBER "2" at -288.714,49.664 h0.64; PIN_NUMBER "1" at -289.273,49.664 h0.64; ASSEMBLY_TOP "10K" at -288.994,49.41 h0.64
R199: PIN_NUMBER "2" at -291.424,47.914 h0.64; PIN_NUMBER "1" at -291.983,47.914 h0.64; ASSEMBLY_TOP "10K" at -291.704,47.66 h0.64
R200: PIN_NUMBER "1" at -289.273,47.914 h0.64; PIN_NUMBER "2" at -288.714,47.914 h0.64; ASSEMBLY_TOP "10K" at -288.994,47.66 h0.64
R201: PIN_NUMBER "2" at -293.263,44.703 h0.64; PIN_NUMBER "1" at -294.188,44.703 h0.64; ASSEMBLY_TOP "1K" at -293.345,44.957 h0.64
R202: PIN_NUMBER "2" at -329.089,31.01 h0.64 r180; PIN_NUMBER "1" at -328.164,31.01 h0.64 r180; ASSEMBLY_TOP "1K" at -328.499,30.756 h0.64 r180
R203: PIN_NUMBER "2" at -329.09,30.07 h0.64 r180; PIN_NUMBER "1" at -328.165,30.07 h0.64 r180; ASSEMBLY_TOP "1K" at -328.5,29.816 h0.64 r180
R204: PIN_NUMBER "2" at -329.065,29.148 h0.64 r180; PIN_NUMBER "1" at -328.14,29.148 h0.64 r180; ASSEMBLY_TOP "1K" at -328.476,28.894 h0.64 r180
R205: PIN_NUMBER "2" at -329.066,28.208 h0.64 r180; PIN_NUMBER "1" at -328.141,28.208 h0.64 r180; ASSEMBLY_TOP "1K" at -328.477,27.954 h0.64 r180
R206: PIN_NUMBER "2" at -253.848,20.663 h0.64; PIN_NUMBER "1" at -254.773,20.663 h0.64; ASSEMBLY_TOP "1K" at -253.929,20.917 h0.64
R207: PIN_NUMBER "2" at -263.545,24.736 h0.64; PIN_NUMBER "1" at -264.47,24.736 h0.64; ASSEMBLY_TOP "10K" at -263.627,24.99 h0.64
R208: PIN_NUMBER "1" at -282.016,67.259 h0.64 r180; PIN_NUMBER "2" at -282.941,67.259 h0.64 r180; ASSEMBLY_TOP "10K" at -282.352,67.005 h0.64 r180
R209: PIN_NUMBER "1" at -298.2,35.661 h0.64 r90; PIN_NUMBER "2" at -298.2,36.586 h0.64 r90; ASSEMBLY_TOP "10K" at -298.2,36.251 h0.64 r90
R210: PIN_NUMBER "1" at -308.436,71.7 h0.64; PIN_NUMBER "2" at -307.511,71.7 h0.64; ASSEMBLY_TOP "10K" at -307.592,71.954 h0.64
R211: PIN_NUMBER "1" at -301.97,70.71 h0.64; PIN_NUMBER "2" at -301.045,70.71 h0.64; ASSEMBLY_TOP "100K" at -301.126,70.964 h0.64
R212: PIN_NUMBER "1" at -301.954,71.649 h0.64; PIN_NUMBER "2" at -301.029,71.649 h0.64; ASSEMBLY_TOP "120K" at -301.111,71.903 h0.64
R213: PIN_NUMBER "1" at -299.132,36.581 h0.64 r270; PIN_NUMBER "2" at -299.132,35.656 h0.64 r270; ASSEMBLY_TOP "10K" at -298.624,35.992 h0.64 r270
R214: PIN_NUMBER "2" at -318.85,9.111 h0.64 r270; PIN_NUMBER "1" at -318.85,10.036 h0.64 r270; ASSEMBLY_TOP "10K" at -318.85,9.447 h0.64 r270
R215: PIN_NUMBER "1" at -319.815,10.035 h0.64 r270; PIN_NUMBER "2" at -319.815,9.11 h0.64 r270; ASSEMBLY_TOP "10K" at -319.815,9.446 h0.64 r270
R216: PIN_NUMBER "1" at -289.94,52.205 h0.64 r180; PIN_NUMBER "2" at -290.499,52.205 h0.64 r180; ASSEMBLY_TOP "33R" at -289.711,51.951 h0.64 r180
R217: PIN_NUMBER "2" at -306.93,42.312 h0.64 r270; PIN_NUMBER "1" at -306.93,42.871 h0.64 r270; ASSEMBLY_TOP "33R" at -306.422,42.845 h0.64 r270
R218: PIN_NUMBER "1" at -274.614,70.661 h0.64 r180; PIN_NUMBER "2" at -275.539,70.661 h0.64 r180; ASSEMBLY_TOP "10K" at -274.95,70.407 h0.64 r180
R219: PIN_NUMBER "1" at -316.926,75.808 h0.64 r180; PIN_NUMBER "2" at -317.851,75.808 h0.64 r180; ASSEMBLY_TOP "0R" at -317.262,75.554 h0.64 r180
R220: PIN_NUMBER "1" at -272.52,50.244 h0.64 r90; PIN_NUMBER "2" at -272.52,51.169 h0.64 r90; ASSEMBLY_TOP "0R" at -272.52,50.834 h0.64 r90
R221: PIN_NUMBER "2" at -273.485,51.184 h0.64 r90; PIN_NUMBER "1" at -273.485,50.259 h0.64 r90; ASSEMBLY_TOP "0R" at -273.485,50.848 h0.64 r90
R222: PIN_NUMBER "2" at -272.215,48.936 h0.64 r90; PIN_NUMBER "1" at -272.215,48.011 h0.64 r90; ASSEMBLY_TOP "0R" at -272.215,48.6 h0.64 r90
R223: PIN_NUMBER "2" at -278.117,49.564 h0.64 r270; PIN_NUMBER "1" at -278.117,50.489 h0.64 r270; ASSEMBLY_TOP "0R" at -277.609,49.9 h0.64 r270
R224: PIN_NUMBER "2" at -276.272,49.584 h0.64; PIN_NUMBER "1" at -277.198,49.584 h0.64; ASSEMBLY_TOP "33R" at -276.354,49.838 h0.64
R225: PIN_NUMBER "1" at -316.926,76.658 h0.64 r180; PIN_NUMBER "2" at -317.851,76.658 h0.64 r180; ASSEMBLY_TOP "0R" at -317.262,76.404 h0.64 r180
R226: PIN_NUMBER "1" at -266.428,68.112 h0.64; PIN_NUMBER "2" at -265.503,68.112 h0.64; ASSEMBLY_TOP "10K" at -265.585,67.858 h0.64
R227: PIN_NUMBER "2" at -308.013,41.805 h0.64 r270; PIN_NUMBER "1" at -308.013,42.73 h0.64 r270; ASSEMBLY_TOP "0R" at -307.505,42.14 h0.64 r270
R228: PIN_NUMBER "1" at -312.745,16.358 h0.64 r180; PIN_NUMBER "2" at -313.67,16.358 h0.64 r180; ASSEMBLY_TOP "10K" at -313.08,16.612 h0.64 r180
R229: PIN_NUMBER "1" at -289.477,68.889 h0.64 r90; PIN_NUMBER "2" at -289.477,69.814 h0.64 r90; ASSEMBLY_TOP "0R" at -289.477,69.479 h0.64 r90
R230: PIN_NUMBER "1" at -289.94,53.749 h0.64 r180; PIN_NUMBER "2" at -290.499,53.749 h0.64 r180; ASSEMBLY_TOP "33R" at -289.711,53.495 h0.64 r180
R231: PIN_NUMBER "2" at -278.197,48.654 h0.64 r180; PIN_NUMBER "1" at -277.272,48.654 h0.64 r180; ASSEMBLY_TOP "0R" at -277.608,48.4 h0.64 r180
R232: PIN_NUMBER "1" at -288.531,76.127 h0.64 r90; PIN_NUMBER "2" at -288.531,77.052 h0.64 r90; ASSEMBLY_TOP "10K" at -288.531,76.717 h0.64 r90
R233: PIN_NUMBER "1" at -282.943,76.127 h0.64 r90; PIN_NUMBER "2" at -282.943,77.052 h0.64 r90; ASSEMBLY_TOP "10K" at -282.943,76.717 h0.64 r90
R234: PIN_NUMBER "1" at -281.138,46.774 h0.64 r180; PIN_NUMBER "2" at -282.063,46.774 h0.64 r180; ASSEMBLY_TOP "10K" at -281.474,46.52 h0.64 r180
R235: PIN_NUMBER "1" at -281.138,48.041 h0.64 r180; PIN_NUMBER "2" at -282.063,48.041 h0.64 r180; ASSEMBLY_TOP "10K" at -281.474,47.787 h0.64 r180
R236: PIN_NUMBER "2" at -253.873,21.467 h0.64; PIN_NUMBER "1" at -254.798,21.467 h0.64; ASSEMBLY_TOP "1K" at -253.955,21.721 h0.64
R237: PIN_NUMBER "1" at -254.798,22.27 h0.64; PIN_NUMBER "2" at -253.873,22.27 h0.64; ASSEMBLY_TOP "1K" at -253.955,22.524 h0.64
R238: PIN_NUMBER "1" at -254.798,23.074 h0.64; PIN_NUMBER "2" at -253.873,23.074 h0.64; ASSEMBLY_TOP "1K" at -253.955,23.328 h0.64
R239: PIN_NUMBER "1" at -274.721,66.091 h0.64 r180; PIN_NUMBER "2" at -275.646,66.091 h0.64 r180; ASSEMBLY_TOP "2.2k" at -275.057,65.837 h0.64 r180
R240: PIN_NUMBER "2" at -322.593,76.57 h0.64 r90; PIN_NUMBER "1" at -322.593,75.645 h0.64 r90; ASSEMBLY_TOP "10K" at -322.593,76.234 h0.64 r90
R241: PIN_NUMBER "2" at -321.653,76.57 h0.64 r90; PIN_NUMBER "1" at -321.653,75.645 h0.64 r90; ASSEMBLY_TOP "10K" at -321.653,76.234 h0.64 r90
R242: PIN_NUMBER "2" at -323.532,76.57 h0.64 r90; PIN_NUMBER "1" at -323.532,75.645 h0.64 r90; ASSEMBLY_TOP "10K" at -323.532,76.234 h0.64 r90
R243: PIN_NUMBER "2" at -324.472,76.57 h0.64 r90; PIN_NUMBER "1" at -324.472,75.645 h0.64 r90; ASSEMBLY_TOP "10K" at -324.472,76.234 h0.64 r90
R244: PIN_NUMBER "2" at -303.855,42.866 h0.64 r90; PIN_NUMBER "1" at -303.855,42.307 h0.64 r90; ASSEMBLY_TOP "33R" at -303.855,42.333 h0.64 r90
R245: PIN_NUMBER "2" at -286.868,49.664 h0.64; PIN_NUMBER "1" at -287.426,49.664 h0.64; ASSEMBLY_TOP "33R" at -287.147,49.918 h0.64
R246: PIN_NUMBER "2" at -286.918,51.223 h0.64; PIN_NUMBER "1" at -287.477,51.223 h0.64; ASSEMBLY_TOP "33R" at -287.198,51.477 h0.64
R247: PIN_NUMBER "2" at -286.868,47.914 h0.64; PIN_NUMBER "1" at -287.426,47.914 h0.64; ASSEMBLY_TOP "33R" at -287.147,48.168 h0.64
R248: PIN_NUMBER "1" at -290.412,69.82 h0.64 r270; PIN_NUMBER "2" at -290.412,68.895 h0.64 r270; ASSEMBLY_TOP "0R" at -289.904,69.231 h0.64 r270
R249: PIN_NUMBER "2" at -298.047,68.316 h0.64; PIN_NUMBER "1" at -298.606,68.316 h0.64; ASSEMBLY_TOP "4.7K" at -298.327,68.57 h0.64
R250: PIN_NUMBER "1" at -292.011,77.052 h0.64 r270; PIN_NUMBER "2" at -292.011,76.127 h0.64 r270; ASSEMBLY_TOP "10K" at -291.503,76.463 h0.64 r270
R251: PIN_NUMBER "2" at -294.17,42.672 h0.64; PIN_NUMBER "1" at -295.095,42.672 h0.64; ASSEMBLY_TOP "10K" at -294.251,42.926 h0.64
R252: PIN_NUMBER "1" at -298.047,68.316 h0.64 r180; PIN_NUMBER "2" at -298.606,68.316 h0.64 r180; ASSEMBLY_TOP "4.7K" at -297.819,68.57 h0.64 r180
R253: PIN_NUMBER "1" at -286.766,68.753 h0.64 r90; PIN_NUMBER "2" at -286.766,69.312 h0.64 r90; ASSEMBLY_TOP "4.7K" at -286.766,68.778 h0.64 r90
R254: PIN_NUMBER "1" at -266.413,71.853 h0.64; PIN_NUMBER "2" at -265.488,71.853 h0.64; ASSEMBLY_TOP "10K" at -265.57,71.599 h0.64
R255: PIN_NUMBER "1" at -267.669,71.853 h0.64 r180; PIN_NUMBER "2" at -268.594,71.853 h0.64 r180; ASSEMBLY_TOP "10K" at -268.004,72.107 h0.64 r180
R256: PIN_NUMBER "2" at -296.036,23.47 h0.64 r180; PIN_NUMBER "1" at -295.111,23.47 h0.64 r180; ASSEMBLY_TOP "10K" at -295.447,23.216 h0.64 r180
R257: PIN_NUMBER "2" at -282.941,27.407 h0.64 r180; PIN_NUMBER "1" at -282.016,27.407 h0.64 r180; ASSEMBLY_TOP "2.2k" at -282.351,27.661 h0.64 r180
R258: PIN_NUMBER "2" at -284.422,24.181 h0.64 r180; PIN_NUMBER "1" at -283.863,24.181 h0.64 r180; ASSEMBLY_TOP "33R" at -283.634,24.435 h0.64 r180
R259: PIN_NUMBER "2" at -279.396,63.144 h0.64 r270; PIN_NUMBER "1" at -279.396,63.703 h0.64 r270; ASSEMBLY_TOP "10K" at -278.888,63.678 h0.64 r270
R260: PIN_NUMBER "2" at -307.949,31.623 h0.64; PIN_NUMBER "1" at -308.874,31.623 h0.64; ASSEMBLY_TOP "560K" at -308.03,31.877 h0.64
R261: PIN_NUMBER "2" at -307.95,32.588 h0.64; PIN_NUMBER "1" at -308.875,32.588 h0.64; ASSEMBLY_TOP "124K" at -308.031,32.842 h0.64
R262: PIN_NUMBER "2" at -282.274,63.703 h0.64 r90; PIN_NUMBER "1" at -282.274,63.144 h0.64 r90; ASSEMBLY_TOP "10K" at -282.274,63.17 h0.64 r90
R263: PIN_NUMBER "1" at -290.957,59.196 h0.64 r90; PIN_NUMBER "2" at -290.957,60.121 h0.64 r90; ASSEMBLY_TOP "2.2k" at -290.957,59.785 h0.64 r90
R264: PIN_NUMBER "1" at -316.922,78.472 h0.64 r180; PIN_NUMBER "2" at -317.847,78.472 h0.64 r180; ASSEMBLY_TOP "0R" at -317.258,78.218 h0.64 r180
R265: PIN_NUMBER "1" at -316.922,77.622 h0.64 r180; PIN_NUMBER "2" at -317.847,77.622 h0.64 r180; ASSEMBLY_TOP "0R" at -317.258,77.368 h0.64 r180
R266: PIN_NUMBER "1" at -292.631,52.205 h0.64 r180; PIN_NUMBER "2" at -293.19,52.205 h0.64 r180; ASSEMBLY_TOP "33R" at -292.402,51.951 h0.64 r180
R267: PIN_NUMBER "1" at -292.631,52.992 h0.64 r180; PIN_NUMBER "2" at -293.19,52.992 h0.64 r180; ASSEMBLY_TOP "33R" at -292.402,52.738 h0.64 r180
R268: PIN_NUMBER "1" at -289.94,52.967 h0.64 r180; PIN_NUMBER "2" at -290.499,52.967 h0.64 r180; ASSEMBLY_TOP "33R" at -289.711,52.713 h0.64 r180
R269: PIN_NUMBER "1" at -292.631,53.754 h0.64 r180; PIN_NUMBER "2" at -293.19,53.754 h0.64 r180; ASSEMBLY_TOP "33R" at -292.402,53.5 h0.64 r180
R270: PIN_NUMBER "1" at -292.631,51.223 h0.64 r180; PIN_NUMBER "2" at -293.19,51.223 h0.64 r180; ASSEMBLY_TOP "33R" at -292.402,50.969 h0.64 r180
R271: PIN_NUMBER "1" at -289.94,51.223 h0.64 r180; PIN_NUMBER "2" at -290.499,51.223 h0.64 r180; ASSEMBLY_TOP "33R" at -289.711,50.969 h0.64 r180
R272: PIN_NUMBER "1" at -277.286,47.701 h0.64 r180; PIN_NUMBER "2" at -278.212,47.701 h0.64 r180; ASSEMBLY_TOP "12K" at -277.622,47.447 h0.64 r180
R273: PIN_NUMBER "1" at -301.245,43.322 h0.64 r270; PIN_NUMBER "2" at -301.245,42.763 h0.64 r270; ASSEMBLY_TOP "33R" at -301.245,43.296 h0.64 r270
R274: PIN_NUMBER "2" at -304.749,41.631 h0.64 r270; PIN_NUMBER "1" at -304.749,42.189 h0.64 r270; ASSEMBLY_TOP "33R" at -304.749,42.164 h0.64 r270
R275: PIN_NUMBER "1" at -276.354,48.672 h0.64 r270; PIN_NUMBER "2" at -276.354,47.747 h0.64 r270; ASSEMBLY_TOP "10K" at -275.846,48.082 h0.64 r270
R276: PIN_NUMBER "2" at -261.005,26.873 h0.64; PIN_NUMBER "1" at -261.93,26.873 h0.64; ASSEMBLY_TOP "390K" at -261.087,27.127 h0.64
R277: PIN_NUMBER "2" at -296.139,70.866 h0.64 r270; PIN_NUMBER "1" at -296.139,71.425 h0.64 r270; ASSEMBLY_TOP "0R" at -295.631,71.399 h0.64 r270
R278: PIN_NUMBER "1" at -267.437,26.233 h0.64 r90; PIN_NUMBER "2" at -267.437,27.158 h0.64 r90; ASSEMBLY_TOP "100K" at -267.437,26.822 h0.64 r90
R283: PIN_NUMBER "2" at -286.766,68.753 h0.64 r270; PIN_NUMBER "1" at -286.766,69.312 h0.64 r270; ASSEMBLY_TOP "4.7K" at -286.766,69.286 h0.64 r270
R308: PIN_NUMBER "1" at -285.74,68.753 h0.64 r90; PIN_NUMBER "2" at -285.74,69.312 h0.64 r90; ASSEMBLY_TOP "4.7K" at -285.74,68.778 h0.64 r90
R309: PIN_NUMBER "2" at -285.74,68.753 h0.64 r270; PIN_NUMBER "1" at -285.74,69.312 h0.64 r270; ASSEMBLY_TOP "4.7K" at -285.74,69.286 h0.64 r270
R310: PIN_NUMBER "1" at -284.683,68.728 h0.64 r90; PIN_NUMBER "2" at -284.683,69.286 h0.64 r90; ASSEMBLY_TOP "4.7K" at -284.683,68.753 h0.64 r90
R311: PIN_NUMBER "2" at -284.683,68.728 h0.64 r270; PIN_NUMBER "1" at -284.683,69.286 h0.64 r270; ASSEMBLY_TOP "4.7K" at -284.683,69.261 h0.64 r270
SW1: PIN_NUMBER "S2" at -254.332,21.521 h0.64 r270; PIN_NUMBER "1" at -254.178,23.221 h0.64 r270; PIN_NUMBER "S1" at -251.732,23.621 h0.64 r270; PIN_NUMBER "S3" at -251.732,19.421 h0.64 r270; PIN_NUMBER "2" at -254.178,19.821 h0.64 r270; ASSEMBLY_TOP "TS23M-BN-PT-PF" at -253.34,22.029 h0.64 r270
SW2: PIN_NUMBER "S2" at -254.332,32.342 h0.64 r270; PIN_NUMBER "1" at -254.178,34.042 h0.64 r270; PIN_NUMBER "S3" at -251.732,30.242 h0.64 r270; PIN_NUMBER "S1" at -251.732,34.442 h0.64 r270; PIN_NUMBER "2" at -254.178,30.642 h0.64 r270; ASSEMBLY_TOP "TS23M-BN-PT-PF" at -253.34,32.85 h0.64 r270
SW3: PIN_NUMBER "2" at -254.178,63.375 h0.64 r270; PIN_NUMBER "S2" at -254.332,65.075 h0.64 r270; PIN_NUMBER "1" at -254.178,66.775 h0.64 r270; PIN_NUMBER "S3" at -251.732,62.975 h0.64 r270; PIN_NUMBER "S1" at -251.732,67.175 h0.64 r270; ASSEMBLY_TOP "TS23M-BN-PT-PF" at -253.34,65.583 h0.64 r270
TP1: PIN_NUMBER "1" at -319.419,67.257 h0.08 r270
TP2: PIN_NUMBER "1" at -300.817,44.724 h0.08 r90
TP3: PIN_NUMBER "1" at -305.862,42.702 h0.08 r270
TP4: PIN_NUMBER "1" at -268.141,63.158 h0.08 r180
TP5: PIN_NUMBER "1" at -266.261,63.158 h0.08 r180
TP6: PIN_NUMBER "1" at -269.705,72.935 h0.08
TP7: PIN_NUMBER "1" at -258.753,74.126 h0.08
TP8: PIN_NUMBER "1" at -296.121,69.943 h0.51 r180; ASSEMBLY_TOP "Test Point" at -295.537,68.927 h0.64 r180
TP9: PIN_NUMBER "1" at -258.753,69.046 h0.08
TP10: PIN_NUMBER "1" at -258.753,71.586 h0.08
TP11: PIN_NUMBER "1" at -324.956,41.835 h0.08 r90
TP12: PIN_NUMBER "1" at -265.028,53.511 h0.08 r90
TP13: PIN_NUMBER "1" at -320.217,46.665 h0.08 r90
TP14: PIN_NUMBER "1" at -265.208,55.343 h0.08 r270
TP15: PIN_NUMBER "1" at -313.512,44.506 h0.08 r90
TP16: PIN_NUMBER "1" at -303.162,42.676 h0.08 r90
TP17: PIN_NUMBER "1" at -255.751,63.44 h0.08 r180
TP18: PIN_NUMBER "1" at -310.387,17.785 h0.08 r90
TP19: PIN_NUMBER "1" at -309.856,31.44 h0.08 r270
TP20: PIN_NUMBER "1" at -296.985,28.637 h0.08
TP21: PIN_NUMBER "1" at -326.974,40.747 h0.08 r90
TP22: PIN_NUMBER "1" at -310.997,12.451 h0.08 r90
TP23: PIN_NUMBER "1" at -322.004,12.002 h0.08 r90
TP24: PIN_NUMBER "1" at -322.045,14.085 h0.08 r90
TP25: PIN_NUMBER "1" at -323.468,15.449 h0.08 r90
TP26: PIN_NUMBER "1" at -275.095,67.517 h0.08
TP27: PIN_NUMBER "1" at -299.8,67.72 h0.08
TP28: PIN_NUMBER "1" at -257.817,63.44 h0.08 r180